# Altium PCB mycarV2.PcbDoc (part 1 of 5)
Units mm, origin at the board's own origin, x right, y up, seen from the top; angles counter-clockwise.
Board outline 144.36 x 103.75 mm, 2 copper layers (Top Layer, Bottom Layer); 186 components, 0 nets, 548 pads, 74 vias.
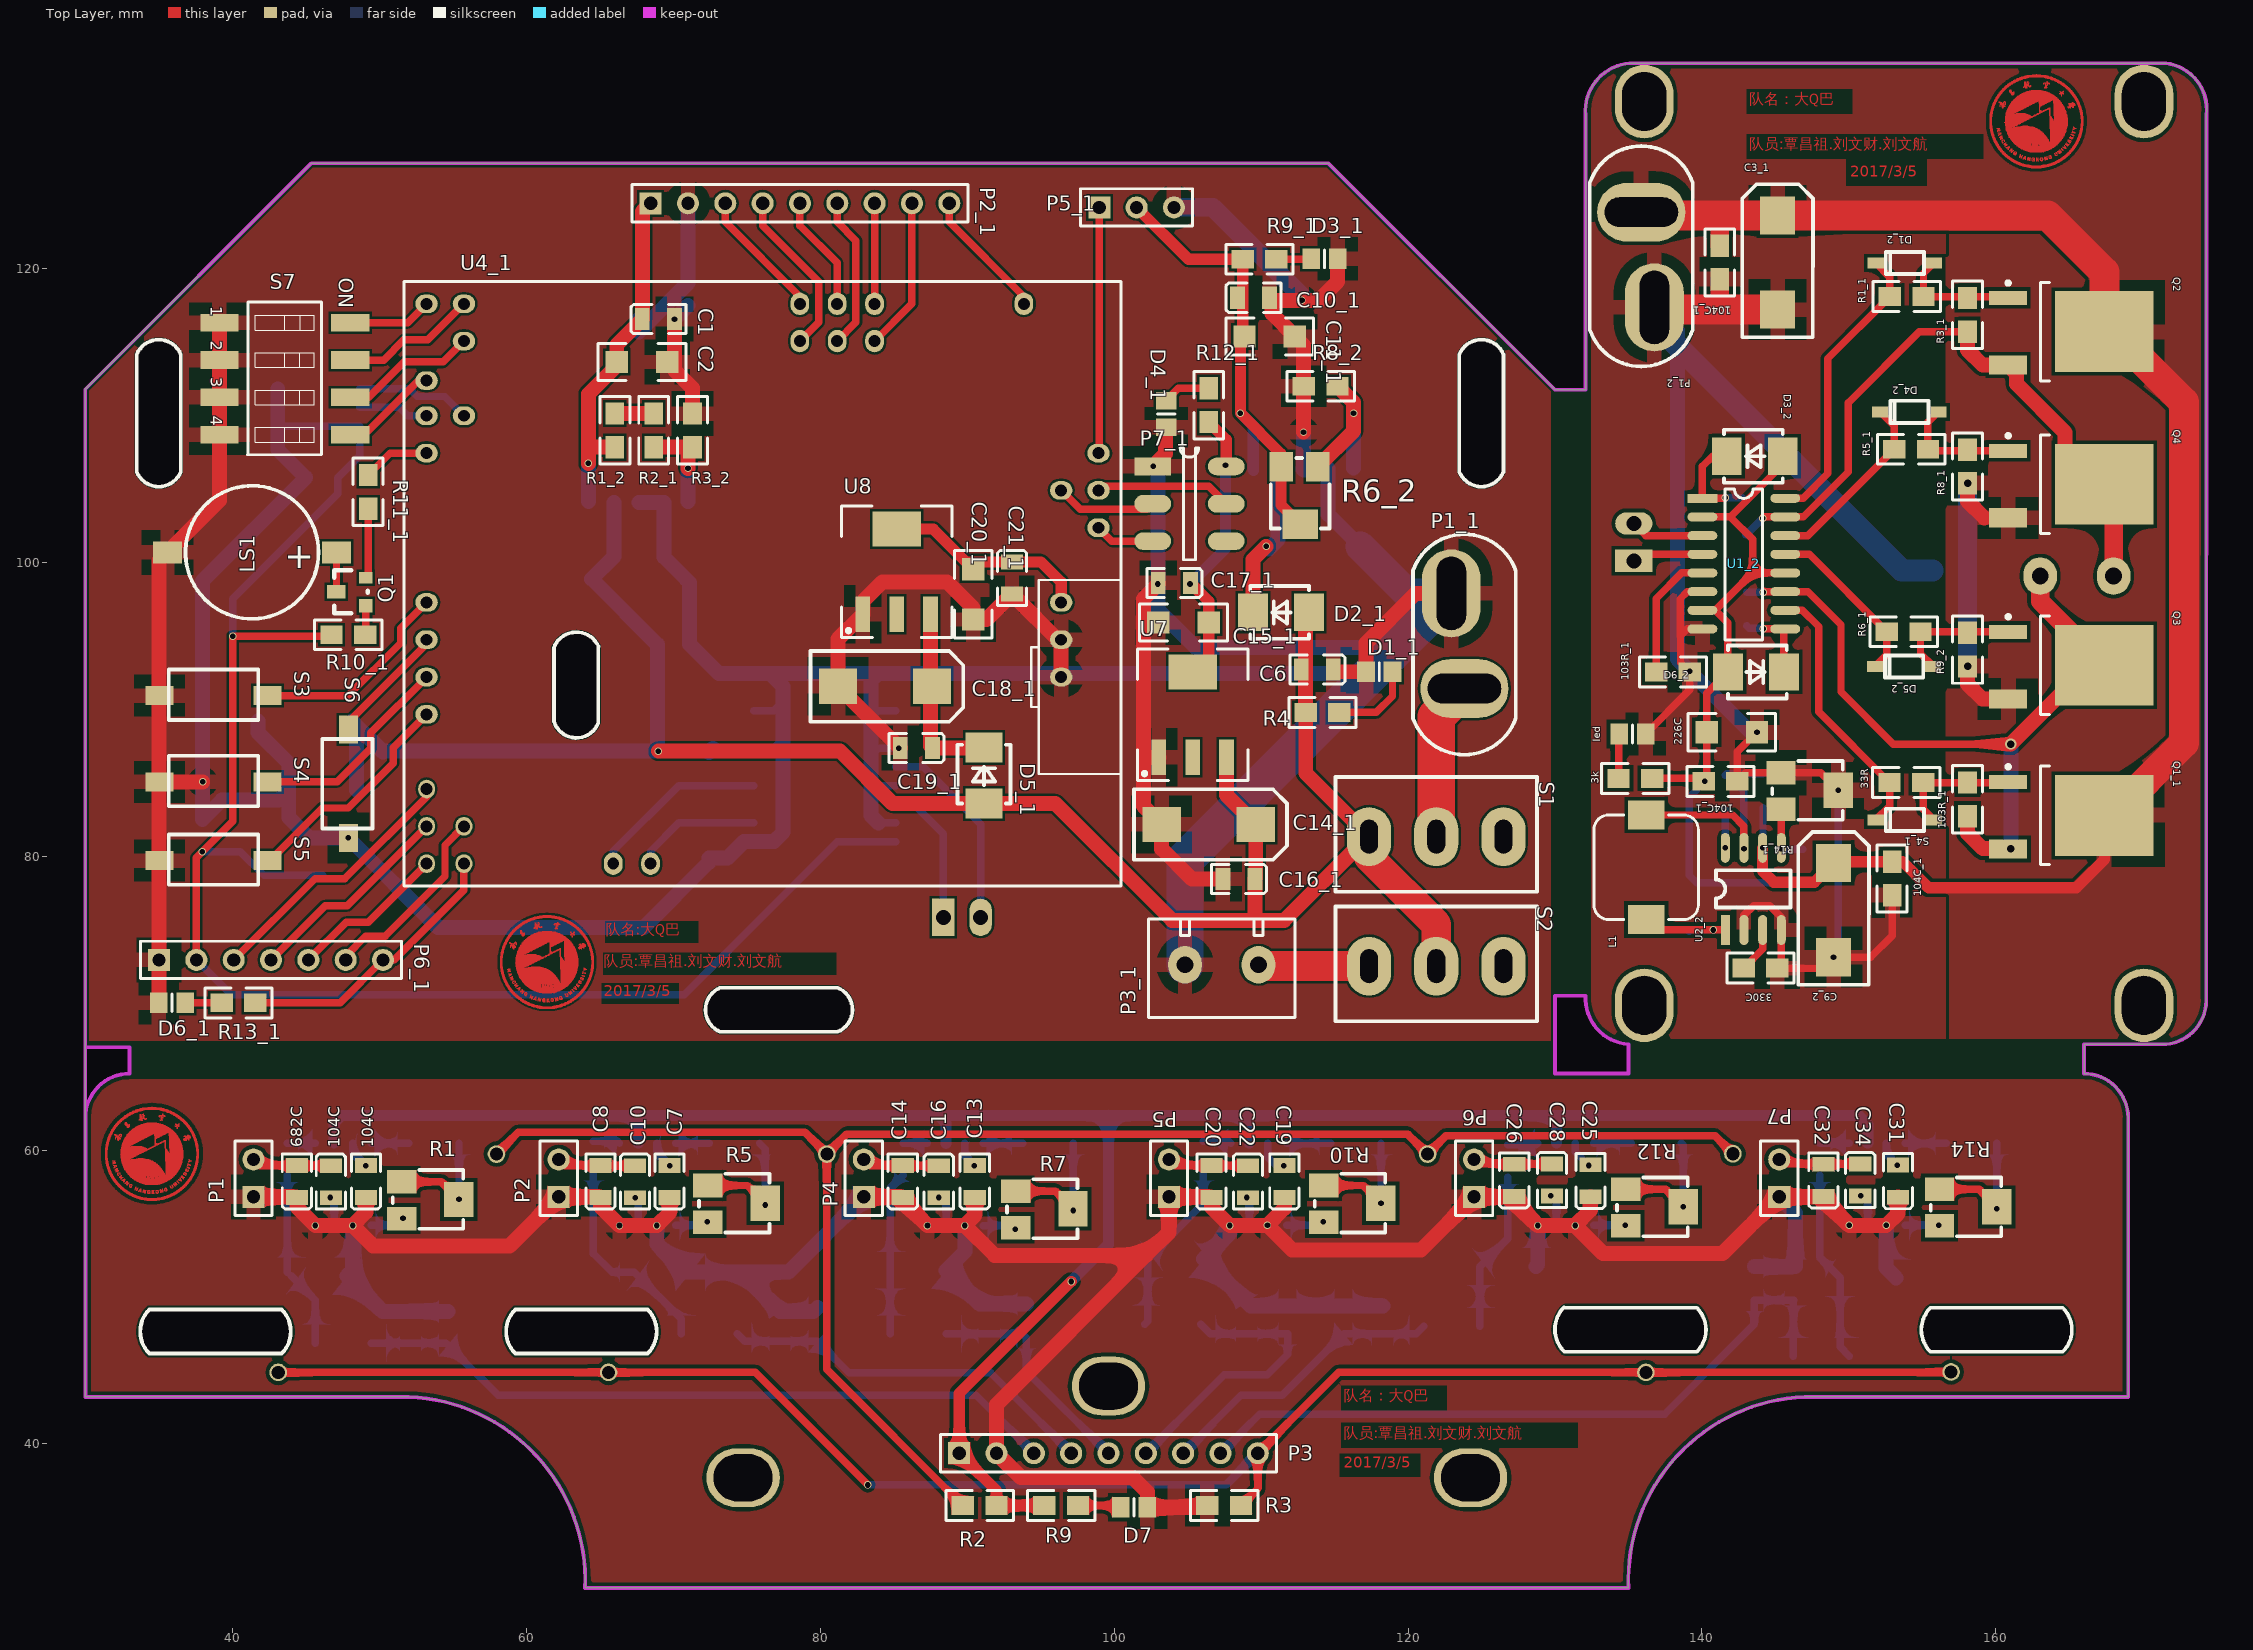
[diagram p0: Top Layer view]
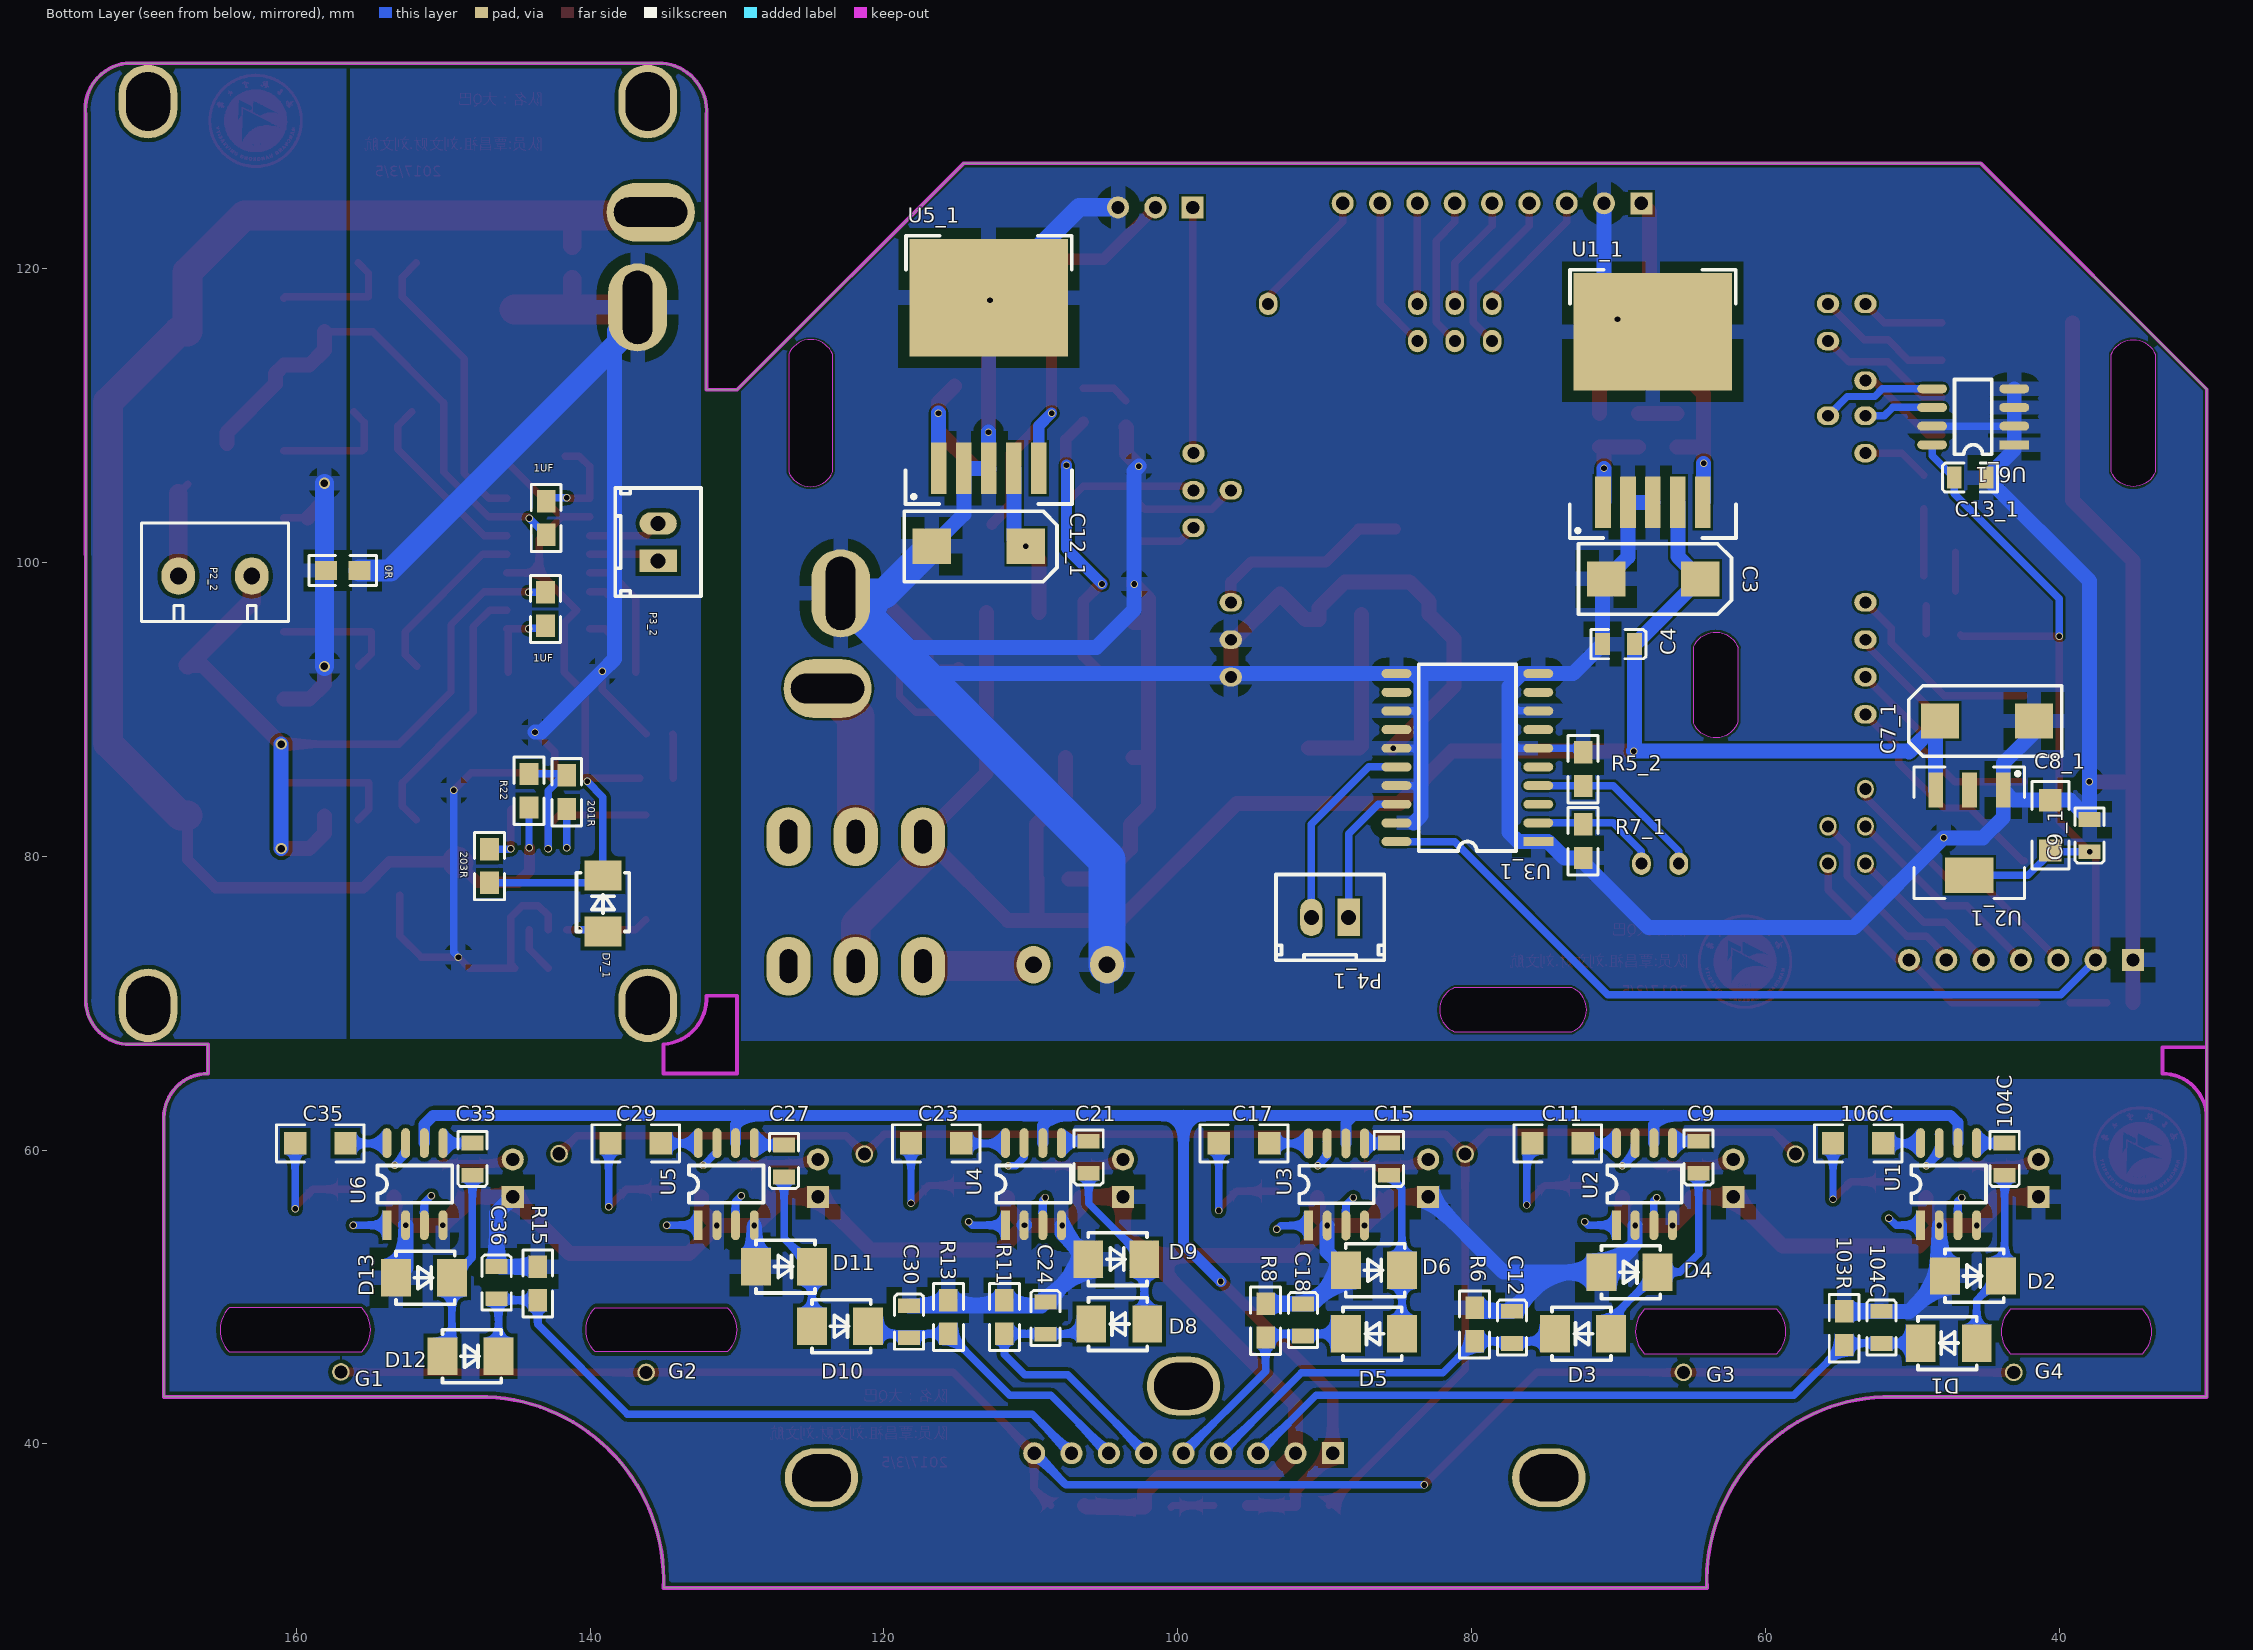
[diagram p1: Bottom Layer view, seen from below]

## Layer stack, top to bottom
Top Solder: solder mask 0.0102, Solder Resist, Dk 3.5
Top Layer: signal copper 0.0356
Dielectric 1: dielectric 0.32, FR-4, Dk 4.8
Bottom Layer: signal copper 0.0356
Bottom Solder: solder mask 0.0102, Solder Resist, Dk 3.5

## Board outline
30,43.2 30,62.2 29.989,62.211 29.989,111.771 45.357,127.139 114.593,127.139 129.989,111.743 132.075,111.743 132.075,130.45 cw(c135.325,130.7) 135.075,133.95 171.575,133.95 cw(c171.2,130.825) 174.325,130.45 174.308,70.45 cw(c171.317,70.192) 171.575,67.2 166,67.2 166,65.2 cw(c166,62.2) 169,62.2 169,43.2 147,43.2 ccw(c147.5,30.7) 135,30.2 64,30.2 ccw(c51.5,30.7) 52,43.2
cut-out: 81.189,68.043 73.189,68.043 cw(c73.814,69.543) 73.189,71.043 81.189,71.043 cw(c80.564,69.543)
cut-out: 61.889,89.143 ccw(c63.407,89.641) 64.889,89.043 64.889,94.243 64.908,94.264 ccw(c63.409,93.606) 61.868,94.162 61.889,94.143
cut-out: 123.489,106.143 123.489,114.143 cw(c124.989,113.518) 126.489,114.143 126.489,106.143 cw(c124.989,106.768)
cut-out: 33.489,106.143 ccw(c34.989,106.768) 36.489,106.143 36.489,114.143 ccw(c34.989,113.518) 33.489,114.143
cut-out: 155.55,46.266 cw(c157.05,47.766) 155.55,49.266 164.55,49.266 cw(c163.05,47.766) 164.55,46.266
cut-out: 130.65,46.266 139.65,46.266 ccw(c138.15,47.766) 139.65,49.266 130.65,49.266 ccw(c132.15,47.766)
cut-out: 34.35,46.15 cw(c35.85,47.65) 34.35,49.15 43.35,49.15 cw(c41.85,47.65) 43.35,46.15
cut-out: 59.25,46.15 cw(c60.75,47.65) 59.25,49.15 68.25,49.15 cw(c66.75,47.65) 68.25,46.15
cut-out: 130,65.2 130,70.5 132.075,70.5 132.077,70.5 ccw(c135.2,70.325) 135,67.204 135,67.2 135,65.2
cut-out: 29.989,62.211 29.989,66.996 32.996,66.996 33,67 33,65.2 ccw(c32.989,62.2)

## Design rules (kind name [scope] priority, off if disabled: settings)
Clearance [All] p1: gap=0.254
PolygonConnect [All] p1: connectstyle=Relief reliefconductorwidth=0.254 reliefentries=4 polygonreliefangle="90 Angle" airgapwidth=0.254
RoutingVias [All] p1: holewidth=0.711 width=1.27 viastyle="Through Hole" minholewidth=0.711 minwidth=1.27 maxholewidth=0.711 maxwidth=1.27
SolderMaskExpansion [All] p1: expansion=0.102
Width [All] p1: maxlimit=0.254 minlimit=0.254 preferedwidth=0.254
30 further rules are at their usual default settings.

## Components (designator, comment, footprint, x,y, rotation, side; value= is the part's Value field where it differs from the comment)
0R "Res2" 0805 156.7,99.434 r0 bottom (schematic designator R10)
1UF "1uF" 0805 143.035,96.691 r90 bottom (schematic designator C2)
1UF "1uF" 0805 142.984,102.888 r90 bottom (schematic designator C1)
3k "Res2" 0805 135.593,85.286 r180 top (schematic designator R15)
33R "33" 0805 154.033,85.007 r180 top (schematic designator R2)
103R "Res2" 0805 54.658,48.004 r270 bottom (schematic designator R4)
103R_1 "10K" 0805 137.904,92.525 r0 top (schematic designator R7)
103R_1 "10K" 0805 158.072,83.737 r90 top (schematic designator R4)
104C "Cap" C-0805 52.118,49.02 r270 bottom (schematic designator C6)
104C "Cap" C-0805 49.083,56.767 r90 top (schematic designator C4)
104C "Cap" C-0805 43.736,58.291 r90 bottom (schematic designator C3)
104C "Cap" C-0805 46.695,58.936 r270 top (schematic designator C1)
104C_1 "Cap" 0805 152.941,78.606 r270 top (schematic designator C8)
104C_1 "Cap" 0805 141.384,85.083 r180 top (schematic designator C6)
104C_1 "Cap" 0805 141.206,120.262 r90 top (schematic designator C4)
106C "Cap Pol2" 1206 55.42,60.45 r180 bottom (schematic designator C5)
201R "Res2" 0805 141.587,84.473 r270 bottom (schematic designator R11)
203R "Res2" 0805 146.845,79.444 r270 bottom (schematic designator R13)
226C "Cap Pol2" 1206 140.317,88.436 r0 top (schematic designator C7)
330C "Cap" 0805 143.848,72.383 r0 top (schematic designator C5)
682C "Cap" C-0805 44.384,56.767 r90 top (schematic designator C2)
C1 "Cap" C-0805 67.896,116.542 r0 top
C2 "Cap Pol2" 1206 66.152,113.621 r0 top
C3 "Cap Pol1" TANCAP 68.032,98.864 r180 bottom
C3_1 "Cap Pol2" TANCAP 145.143,120.008 r90 top (schematic designator C3)
C4 "Cap" C-0805 68.921,94.419 r0 bottom
C6 "Cap" C-0805 114.918,92.698 r180 top
C7 "Cap" C-0805 67.402,58.936 r270 top
C7_1 "Cap Pol1" TANCAP 44.56,89.193 r0 bottom (schematic designator C7)
C8 "Cap" C-0805 65.052,56.767 r90 top
C8_1 "Cap Pol2" 1206 40.623,80.379 r90 bottom (schematic designator C8)
C9 "Cap" C-0805 64.564,58.418 r90 bottom
C9_1 "Cap" C-0805 37.956,80.303 r90 bottom (schematic designator C9)
C9_2 "Cap Pol2" TANCAP 148.953,75.939 r90 top (schematic designator C9)
C10 "Cap" C-0805 69.752,56.767 r90 top
C10_1 "Cap" C-0805 108.388,117.997 r0 top (schematic designator C10)
C11 "Cap Pol2" 1206 75.867,60.45 r180 bottom
C11_1 "Cap Pol2" 1206 108.872,115.355 r0 top (schematic designator C11)
C12 "Cap" C-0805 77.264,49.02 r270 bottom
C12_1 "Cap Pol1" TANCAP 113.927,101.08 r180 bottom (schematic designator C12)
C13 "Cap" C-0805 88.064,58.936 r270 top
C13_1 "Cap" C-0805 47.176,105.754 r180 bottom (schematic designator C13)
C14 "Cap" C-0805 85.614,56.767 r90 top
C14_1 "Cap Pol1" TANCAP 106.053,82.157 r0 top (schematic designator C14)
C15 "Cap" C-0805 85.646,58.291 r90 bottom
C15_1 "Cap Pol2" 1206 106.434,95.899 r180 top (schematic designator C15)
C16 "Cap" C-0805 90.514,56.767 r90 top
C16_1 "Cap" C-0805 109.589,78.443 r180 top (schematic designator C16)
C17 "Cap Pol2" 1206 97.211,60.45 r180 bottom
C17_1 "Cap" C-0805 105.189,98.591 r180 top (schematic designator C17)
C18 "Cap" C-0805 91.488,49.528 r270 bottom
C18_1 "Cap Pol1" TANCAP 84.031,91.555 r0 top (schematic designator C18)
C19 "Cap" C-0805 109.103,58.936 r270 top
C19_1 "Cap" C-0805 87.638,87.364 r180 top (schematic designator C19)
C20 "Cap" C-0805 106.626,56.767 r90 top
C20_1 "Cap Pol2" 1206 90.407,99.531 r270 top (schematic designator C20)
C21 "Cap" C-0805 106.068,58.418 r90 bottom
C21_1 "Cap" C-0805 93.048,100.015 r270 top (schematic designator C21)
C22 "Cap" C-0805 111.579,56.767 r90 top
C23 "Cap Pol2" 1206 118.158,60.45 r180 bottom
C24 "Cap" C-0805 109.014,49.655 r270 bottom
C25 "Cap" C-0805 129.791,59.053 r270 top
C26 "Cap" C-0805 127.226,56.843 r90 top
C27 "Cap" C-0805 126.794,58.164 r90 bottom
C28 "Cap" C-0805 132.407,56.818 r90 top
C29 "Cap Pol2" 1206 138.605,60.45 r180 bottom
C30 "Cap" C-0805 118.285,49.401 r270 bottom
C31 "Cap" C-0805 150.772,59.053 r270 top
C32 "Cap" C-0805 148.257,56.843 r90 top
C33 "Cap" C-0805 148.003,58.291 r90 bottom
C34 "Cap" C-0805 153.337,56.792 r90 top
C35 "Cap Pol2" 1206 160.068,60.45 r180 bottom
C36 "Cap" C-0805 146.352,52.068 r270 bottom
D1 "Diode" DO214AA 47.546,46.861 r0 bottom
D1_1 "LED0" 6-0805_N 118.042,92.546 r180 top (schematic designator D1)
D1_2 "SS14" SOT-123 153.804,120.364 r180 top (schematic designator D1)
D2 "Diode" DO214AA 45.895,51.433 r180 bottom
D2_1 "SS14" DO214AA 111.362,96.585 r180 top (schematic designator D2)
D3 "Diode" DO214AA 72.438,47.496 r0 bottom
D3_1 "LED0" 6-0805_N 114.308,120.638 r0 top (schematic designator D3)
D3_2 "SS14" DO214AA 143.594,107.206 r180 top (schematic designator D3)
D4 "Diode" DO214AA 69.263,51.687 r180 bottom
D4_1 "LED0" 6-0805_N 103.538,110.094 r270 top (schematic designator D4)
D4_2 "SS14" SOT-123 154.109,110.229 r180 top (schematic designator D4)
D5 "Diode" DO214AA 86.662,47.496 r0 bottom
D5_1 "SS14" DO214AA 91.143,85.485 r90 top (schematic designator D5)
D5_2 "SS14" SOT-123 153.754,92.906 r180 top (schematic designator D5)
D6 "Diode" DO214AA 86.662,51.814 r180 bottom
D6_1 "LED0" 6-0805_N 35.898,70.016 r180 top (schematic designator D6)
D6_2 "SS14" DO214AA 143.67,92.525 r0 top (schematic designator D6)
D7 "LED0" 6-0805_N 101.357,35.694 r0 top
D7_1 "SS14" DO214AA 139.123,76.777 r90 bottom (schematic designator D7)
D8 "Diode" DO214AA 103.985,48.156 r0 bottom
D9 "Diode" DO214AA 104.188,52.576 r180 bottom
D10 "Diode" DO214AA 122.984,48.004 r180 bottom
D11 "Diode" DO214AA 126.794,52.068 r180 bottom
D12 "Diode" DO214AA 148.13,45.972 r180 bottom
D13 "Diode" DO214AA 151.305,51.306 r180 bottom
G1 "GHG" GHG_1 149.527,52.322 r315 bottom
G2 "GHG" GHG_1 128.758,52.297 r315 bottom
G3 "GHG" GHG_1 73.022,52.297 r225 bottom
G4 "GHG" GHG_1 50.543,52.297 r225 bottom
L1 "220uH" L-SMD-7 136.202,79.241 r90 top
led "LED0" 6-0805_N 135.262,88.309 r0 top (schematic designator D8)
LS1 "Buzzer" min_bell 41.334,100.674 r180 top
P1 "Header 2" HDR1X2 41.437,56.818 r90 top
P1_1 "Header 2" T型插头(公) 123.833,91.403 r90 top (schematic designator P1)
P1_2 "Header 2" T型插头(公) 135.872,123.818 r270 top (schematic designator P1)
P2 "Header 2" HDR1X2 62.202,56.818 r90 top
P2_1 "Header 9" HDR1X9 68.461,124.423 r0 top (schematic designator P2)
P2_2 "Header 2" 接线柱 165.514,99.053 r180 bottom (schematic designator P2)
P3 "Header 9" HDR1X9 89.456,39.368 r0 top
P3_1 "Header 2" 接线柱 107.323,72.607 r180 top (schematic designator P3)
P3_2 "Header 2" 2PIN 135.364,100.094 r90 bottom (schematic designator P3)
P4 "Header 2" HDR1X2 82.966,56.818 r90 top
P4_1 "Header 2" 2PIN 88.375,75.833 r0 bottom (schematic designator P4)
P5 "Header 2" HDR1X2 103.731,56.818 r90 top
P5_1 "Header 3" HDR1X3 98.989,124.143 r0 top (schematic designator P5)
P6 "Header 2" HDR1X2 124.495,56.818 r90 top
P6_1 "Header 7" HDR1X7 35.009,72.937 r0 top (schematic designator P6)
P7 "Header 2" HDR1X2 145.26,56.818 r90 top
P7_1 "Header 3X2" SOP6贴片插针 102.624,106.516 r0 top (schematic designator P7)
Q1 "NPN" SOT-23 46.033,95.823 r90 top
Q1_1 "IRF3205" TO-252AA_M 167.774,82.772 r270 top (schematic designator Q1)
Q2 "IRF3205" TO-252AA_M 167.774,115.69 r270 top
Q3 "IRF3205" TO-252AA_M 167.774,92.982 r270 top
Q4 "IRF3205" TO-252AA_M 167.774,105.301 r270 top
R1 "RES-ADJ" T-3224w 54.912,56.64 r180 top
R1_1 "33" 0805 153.804,118.078 r0 top (schematic designator R1)
R1_2 "Res2" 0805 66.025,108.846 r90 top (schematic designator R1)
R2 "Res2" 0805 90.98,35.812 r180 top
R2_1 "Res2" 0805 68.667,108.846 r90 top (schematic designator R2)
R3 "Res2" 0805 107.617,35.812 r180 top
R3_1 "10K" 0805 158.072,116.706 r90 top (schematic designator R3)
R3_2 "Res2" 0805 71.309,109.1 r270 top (schematic designator R3)
R4 "Res2" 0805 114.054,89.777 r0 top
R5 "RES-ADJ" T-3224w 75.752,56.386 r180 top
R5_1 "33" 0805 154.109,107.689 r0 top (schematic designator R5)
R5_2 "Res2" 0805 72.423,80.887 r90 bottom (schematic designator R5)
R6 "Res2" 0805 79.804,48.258 r270 bottom
R6_1 "33" 0805 153.855,95.268 r180 top (schematic designator R6)
R6_2 "RES-ADJ" T-3224w 112.657,103.087 r90 top (schematic designator R6)
R7 "RES-ADJ" T-3224w 96.703,56.005 r180 top
R7_1 "Res2" 0805 72.423,86.044 r270 bottom (schematic designator R7)
R8 "Res2" 0805 94.028,48.512 r270 bottom
R8_1 "10K" 0805 158.072,106.394 r90 top (schematic designator R8)
R8_2 "Res2" 0805 113.927,111.977 r0 top (schematic designator R8)
R9 "Res2" 0805 96.272,35.812 r0 top
R9_1 "Res2" 0805 109.761,120.613 r0 top (schematic designator R9)
R9_2 "10K" 0805 158.072,93.922 r90 top (schematic designator R9)
R10 "RES-ADJ" T-3224w 117.65,56.386 r180 top
R10_1 "Res2" 0805 47.76,95.061 r0 top (schematic designator R10)
R11 "Res2" 0805 111.808,48.766 r270 bottom
R11_1 "Res2" 0805 49.233,104.916 r270 top (schematic designator R11)
R12 "RES-ADJ" T-3224w 138.224,56.132 r180 top
R12_1 "Res2" 0805 106.434,110.555 r90 top (schematic designator R12)
R13 "Res2" 0805 115.618,48.766 r270 bottom
R13_1 "Res2" 0805 40.546,70.016 r180 top (schematic designator R13)
R14 "RES-ADJ" T-3224w 159.56,56.132 r180 top
R14_1 "RES-ADJ" T-3224w 148.775,84.473 r180 top (schematic designator R14)
R15 "Res2" 0805 143.558,51.052 r270 bottom
R22 "Res2" 0805 144.152,84.575 r270 bottom (schematic designator R12)
S1 "SW-SPDT" SWITCH_B 121.921,81.326 r0 top
S2 "SW-SPDT" SWITCH_B 121.921,72.512 r0 top
S3 "SW-PB" 贴片开关 38.591,90.92 r0 top
S4 "SW-PB" 贴片开关 38.591,85.053 r0 top
S4_1 "SS14" SOT-123 153.804,82.467 r180 top (schematic designator D2)
S5 "SW-PB" 贴片开关 38.591,79.694 r0 top
S6 "SW-PB" 贴片开关 47.887,84.799 r90 top
S7 "SW DIP-4" SW-4P 43.569,112.485 r270 top
U1 "LM386" SO-8 49.458,54.885 r90 bottom
U1_1 "LM2941" LM2941 67.676,110.243 r180 bottom (schematic designator U1)
U1_2 "HIP4082" SO-16N 140.26,104.346 r0 top (schematic designator U1)
U2 "LM386" SO-8 70.152,54.885 r90 bottom
U2_1 "AMS1117" AMS1117 46.134,81.599 r0 bottom (schematic designator U2)
U2_2 "MCG34065A" SO-8 141.587,74.974 r90 top (schematic designator U2)
U3 "LM386" SO-8 91.107,54.862 r90 bottom
U3_1 "SN74HC244" SO-20W 75.446,80.938 r0 bottom (schematic designator U3)
U4 "LM386" SO-8 111.732,54.885 r90 bottom
U4_1 "K60FX" k60_v2 75.395,98.185 r0 top locked (schematic designator U4)
U5 "LM386" SO-8 132.636,54.885 r90 bottom
U5_1 "LM2941" LM2941 112.864,112.557 r180 bottom (schematic designator U5)
U6 "LM386" SO-8 153.82,54.885 r90 bottom
U6_1 "24C64" SO-8 43.086,107.989 r0 bottom (schematic designator U6)
U7 "AMS1117" AMS1117 105.342,89.625 r0 top
U8 "SPX1117" AMS1117 85.2,99.353 r0 top

## Footprints (in the part's own frame and the unit in brackets; to place one, negate y for a bottom-side part, rotate by r counter-clockwise, add the part's x,y. Pads: shape width x height; smd on the part's side, far side on the other; paste and mask are expansions set on the pad)
2PIN [mil]
  rect 60x100 hole 40: 1(0,0)
  oval 60x100 hole 40: 2(100,0)
  silkscreen extent -95,-115 195,115
6-0805_N [mm] "Chip Resistor, Body 2.0x1.2mm, IPC Medium Density"
  rect 1.2x1.4 smd: 1(-0.9,0) 2(0.9,0)
  silkscreen extent 0,-0.6 0,0.6, body extent -1.07,-0.7 1.07,0.7, height 0.7
0805 [mil]
  rect 60x50 smd: 1(-40,0) 2(50,0)
  silkscreen extent -85,-40 95,40, body extent -39,-24 39,29, height 26
1206 [mil]
  rect 60x60 smd: 1(0,0) 2(135,0)
  silkscreen extent -50,-50 185,50, body extent 7,-32 133,32, height 23
AMS1117 [mm]
  rect 1x2.4 smd: 1(-2.3,-2.9) 2(0,-2.9) 3(2.3,-2.9)
  rect 3.3x2.4 smd: 2(0,2.9)
  silkscreen extent -3.76,-4.47 3.76,4.47, body extent -3.4,-1.9 3.4,1.9, height 3
C-0805 [mm]
  rect 1x1.5 smd: 1(0,0) 2(2.184,0)
  silkscreen extent -0.79,-0.99 2.96,0.99, body extent 0.02,-0.6 2.02,0.6, height 0.95
DO214AA [mil]
  rect 80x100 smd: 1(-75,0) 2(75,0)
  silkscreen extent -75,-71 82,71
GHG_1 [mm]
  round 1.2 hole 0.889: 1(-10.5,0) 2(10.5,0)
HDR1X2 [mm] "Connector; Header; 2 Position"
  rect 1.5x1.5 hole 0.9: 1(0,0)
  round 1.5 hole 0.9: 2(2.54,0)
  silkscreen extent -1.27,-1.27 3.81,1.27
HDR1X3 [mm] "Connector; Header; 3 Position"
  rect 1.5x1.5 hole 0.9: 1(0,0)
  round 1.5 hole 0.9: 2(2.54,0) 3(5.08,0)
  silkscreen extent -1.27,-1.27 6.35,1.27
HDR1X7 [mm] "Connector; Header; 7 Position"
  rect 1.5x1.5 hole 0.9: 1(0,0)
  round 1.5 hole 0.9: 2(2.54,0) 3(5.08,0) 4(7.62,0) 5(10.16,0) 6(12.7,0) 7(15.24,0)
  silkscreen extent -1.27,-1.27 16.51,1.27
HDR1X9 [mm] "Connector; Header; 9 Position"
  rect 1.5x1.5 hole 0.9: 1(0,0)
  round 1.5 hole 0.9: 2(2.54,0) 3(5.08,0) 4(7.62,0) 5(10.16,0) 6(12.7,0) 7(15.24,0) 8(17.78,0) 9(20.32,0)
  silkscreen extent -1.27,-1.27 21.59,1.27
k60_v2 [mm]
  oval 1.27x1.524 hole 0.813: 7(-9.48,-18.7) 9(-6.94,-18.7) 63(18.46,19.4) 71(8.3,19.4) 72(8.3,16.86) 73(5.76,19.4) 74(5.76,16.86) 75(3.22,19.4) 76(3.22,16.86)
  oval 1.524x1.27 hole 0.813: 41(21,-6) 43(21,-3.46) 45(21,-0.92) 50(23.54,4.16) 51(21,6.7) 52(23.54,6.7) 54(23.54,9.24) 93(-19.64,19.4) 94(-22.18,19.4) 95(-19.64,16.86) 98(-22.18,14.17) 99(-19.64,11.78) 100(-22.18,11.78) 102(-22.18,9.24) 110(-22.18,-0.92) 112(-22.18,-3.46) 114(-22.18,-6) 116(-22.18,-8.54)
  oval 1.143x1.27 hole 0.813: 120(-22.18,-13.62) 121(-19.64,-16.16) 122(-22.18,-16.16) 123(-19.64,-18.7) 124(-22.18,-18.7)
  silkscreen extent -23.7,-20.22 25.06,20.92
L-SMD-7 [mm] "贴片电感7*7"
  rect 2x2.5 smd: 1(-3.556,0) 2(3.556,0)
  silkscreen extent -3.56,-3.56 3.56,3.56, body extent -3.56,-3.56 3.56,3.56, height 4
LM2941 [mm]
  rect 1.07x3.5 smd: 1(-3.4,-6.175) 2(-1.7,-6.175) 3(0,-6.175) 4(1.7,-6.175) 5(3.4,-6.175)
  rect 10.8x8 smd: 3(0,5.433)
  silkscreen extent -5.66,-8.6 5.66,9.65, body extent -5.21,-4.44 5.21,4.45, height 4.65
min_bell [mm]
  rect 2x1.5 smd: 1(-5.75,0) 2(5.75,0)
  silkscreen extent -4.53,-4.53 4.52,4.53
SO-8 [mil]
  rect 80x24 smd: 1(0,0)
  oval 80x24 smd: 2(0,-50) 3(0,-100) 4(0,-150) 5(220,-150) 6(220,-100) 7(220,-50) 8(220,0)
  silkscreen extent 60,-175 160,25, body extent -8,-171 228,21, height 67
SO-16N [mil]
  rect 80x24 smd: 1(-9,0.1)
  oval 80x24 smd: 2(-9,-49.9) 3(-9,-99.9) 4(-9,-149.9) 5(-9,-199.9) 6(-9,-249.9) 7(-9,-299.9) 8(-9,-349.9) 9(212.9,-349.9) 10(212.9,-299.9) 11(212.9,-249.9) 12(212.9,-199.9) 13(212.9,-149.9) 14(212.9,-99.9) 15(212.9,-49.9) 16(212.9,0.1)
  silkscreen extent 52,-380 152,25
SO-20W [mil]
  rect 80x24 smd: 1(1,-2)
  oval 80x24 smd: 2(1,-52) 3(1,-102) 4(1,-152) 5(1,-202) 6(1,-252) 7(1,-302) 8(1,-352) 9(1,-402) 10(1,-452) 11(381,-452) 12(381,-402) 13(381,-352) 14(381,-302) 15(381,-252) 16(381,-202) 17(381,-152) 18(381,-102) 19(381,-52) 20(381,-2)
  silkscreen extent 61,-477 321,23
SOP6贴片插针 [mm]
  rect 2.5x1.2 smd: 1(0,0)
  oval 2.5x1.2 smd: 2(5,0) 3(0,-2.54) 4(5,-2.54) 5(0,-5.08) 6(5,-5.08)
  silkscreen extent 1.87,-6.35 3.14,1.27
SOT-23 [mil]
  rect 36x36 smd: 1(47.76,-120.28)
  rect 30x36 smd: 2(122.76,-120.28)
  rect 36x50 smd: 3(85.76,-40.28)
  silkscreen extent 28,-125 143,-35, body extent 27,-132 141,-22, height 47
SOT-123 [mm]
  rect 1.1x0.75 smd: 1(-1.975,0) 2(1.975,0)
  silkscreen extent -1.3,-0.75 1.3,0.75
SW-4P [mm]
  rect 1.2x2.6 smd: 1(-3.81,-4.45) 2(-1.27,-4.45) 3(1.27,-4.45) 4(3.81,-4.45) 5(3.81,4.45) 6(1.27,4.45) 7(-1.27,4.45) 8(-3.81,4.45)
  silkscreen extent -5.21,-2.53 5.17,2.49
SWITCH_B [mm]
  oval 3x4 hole 1.2 slot 2.3 at 90 deg: 1(-4.572,0) 2(0,0) 3(4.572,0)
  silkscreen extent -6.86,-3.75 6.86,4.06
T-3224w [mm]
  rect 2x1.6 smd: 1(3.4,-1.2) 3(3.4,1.3)
  rect 2x2.4 smd: 2(-0.5,0)
  silkscreen extent -0.8,-2 4,2
TANCAP [mm]
  rect 2.6x2.4 smd: 1(3.583,0) 2(-2.817,0)
  silkscreen extent -4.7,-2.41 5.71,2.39, body extent -3.27,-2.17 4.03,2.13, height 2.9
TO-252AA_M [mm] "D-PAK, 4-Leads, Body 6.1x6.5mm, Pitch 2.28mm, Lead Span 9.8mm, IPC Low Density"
  rect 0.95x2.6 smd: 1(-2.28,-6.94)
  rect 1.3x2.6 smd: 3(2.28,-6.94)
  rect 5.5x6.7 smd: 4(0,-0.39)
  silkscreen extent -3.43,-7.06 3.35,-4.14, body extent -3.27,-7.44 3.27,2.5, height 2.39
T型插头(公) [mm]
  oval 4x6 hole 2 slot 5 at 90 deg: 1(0,0)
  oval 6x4 hole 2 slot 5 at 0 deg: 2(6.477,0.889)
  silkscreen extent -4.5,-3.5 10.5,3.5
接线柱 [mil]
  oval 90x100 hole 45: 1(-98.43,0) 2(98.43,0)
  silkscreen extent -197,-122 197,142
贴片开关 [mm]
  rect 1.9x1.3 smd: 1(-3.556,0) 2(3.81,0)
  silkscreen extent -2.92,-1.65 3.17,1.78, body extent -3.91,-1.78 4.23,1.82, height 2.49

## Part data
0R 3k 103R 201R 203R R1_2 R2 R2_1 R3 R3_2 R4 R5_2 R6 R7_1 R8 R8_2 R9 R9_1 R10_1 R11 R11_1 R12_1 R13 R13_1 R15 R22: "Resistor"
1UF 1UF: library part CAP, "Capacitor"
33R 103R_1 103R_1 R1_1 R3_1 R5_1 R6_1 R8_1 R9_2: library part RES
104C 104C 104C 104C 104C_1 104C_1 104C_1 330C 682C C1 C4 C6 C7 C8 C9 C9_1 C10 C10_1 C12 C13 C13_1 C14 C15 C16 C16_1 C17_1 C18 C19 C19_1 C20 C21 C21_1 C22 C24 C25 C26 C27 C28 C30 C31 C32 C33 C34 C36: "Capacitor"
106C 226C C2 C3_1 C8_1 C9_2 C11 C11_1 C15_1 C17 C20_1 C23 C29 C35: "Polarized Capacitor (Axial)"
C3 C7_1 C12_1 C14_1 C18_1: "Polarized Capacitor (Radial)"
D1 D2 D3 D4 D5 D6 D8 D9 D10 D11 D12 D13: "Default Diode"
D1_1 D3_1 D4_1 D6_1 D7 led: "Typical INFRARED GaAs LED"
D1_2 D3_2 D4_2 D5_2 D6_2 S4_1: library part "Diode 1N4148", "High Conductance Fast Diode"
D2_1 D5_1: library part "Diode BAS16", "Silicon Switching Diode for High-Speed Switching"
D7_1: library part Diode, "Default Diode"
L1: library part L-D-SMD, "磁芯电感"
LS1: "Magnetic Transducer Buzzer"
P1 P1_1 P1_2 P2 P2_2 P3_1 P3_2 P4 P4_1 P5 P6 P7: "Header, 2-Pin"
P2_1 P3: "Header, 9-Pin"
P5_1: "Header, 3-Pin"
P6_1: "Header, 7-Pin"
P7_1: "Header, 3-Pin, Dual row"
Q1: "NPN Bipolar Transistor"
Q1_1 Q2 Q3 Q4: library part IRLR7843
S1 S2: "SPDT Subminiature Toggle Switch, Right Angle Mounting, Vertical Actuation"
S3 S4 S5 S6: "Switch"
S7: "编码开关"
U6_1: library part EEPROM_24C64

## Free pads (board coordinates)
  oval 5x4 hole 3.2 slot 4 at 0 deg: 0(74.75,37.7) 0(99.616,43.94) 0(124.25,37.7)
  oval 4x5 hole 3 slot 4 at 90 deg: 0(136.075,69.847) 0(136.075,131.347) 0(170.075,69.847) 0(170.075,131.347)

## Via types
v1: diameter 0.508, hole 0.381, Top Layer to Bottom Layer, 70 vias
v2: diameter 0.762, hole 0.508, Top Layer to Bottom Layer, 4 vias

## Nets (pads, with @x,y where several pads share a name; then routed paths per layer and width w, separated by ;. In a path a pad name is that pad's centre, name@x,y a point inside that pad or via, vN(x,y) a via of type N, cw(c..) or ccw(c..) an arc to the next point about the centre after c; other vN are vias at no path point)
pads on no net: 0R.1 0R.2 1UF.1 1UF.2 3k.1 3k.2 33R.1 33R.2 103R.1 103R.2 103R_1.1 103R_1.2 104C.1 104C.2 104C_1.1 104C_1.2 106C.1 106C.2 201R.1 201R.2 203R.1 203R.2 226C.1 226C.2 330C.1 330C.2 682C.1 682C.2 C1.1 C1.2 C2.1 C2.2 C3.1 C3.2 C3_1.1 C3_1.2 C4.1 C4.2 C6.1 C6.2 C7.1 C7.2 C7_1.1 C7_1.2 C8.1 C8.2 C8_1.1 C8_1.2 C9.1 C9.2 C9_1.1 C9_1.2 C9_2.1 C9_2.2 C10.1 C10.2 C10_1.1 C10_1.2 C11.1 C11.2 C11_1.1 C11_1.2 C12.1 C12.2 C12_1.1 C12_1.2 C13.1 C13.2 C13_1.1 C13_1.2 C14.1 C14.2 C14_1.1 C14_1.2 C15.1 C15.2 C15_1.1 C15_1.2 C16.1 C16.2 C16_1.1 C16_1.2 C17.1 C17.2 C17_1.1 C17_1.2 C18.1 C18.2 C18_1.1 C18_1.2 C19.1 C19.2 C19_1.1 C19_1.2 C20.1 C20.2 C20_1.1 C20_1.2 C21.1 C21.2 C21_1.1 C21_1.2 C22.1 C22.2 C23.1 C23.2 C24.1 C24.2 C25.1 C25.2 C26.1 C26.2 C27.1 C27.2 C28.1 C28.2 C29.1 C29.2 C30.1 C30.2 C31.1 C31.2 C32.1 C32.2 C33.1 C33.2 C34.1 C34.2 C35.1 C35.2 C36.1 C36.2 D1.1 D1.2 D1_1.1 D1_1.2 D1_2.1 D1_2.2 D2.1 D2.2 D2_1.1 D2_1.2 D3.1 D3.2 D3_1.1 D3_1.2 D3_2.1 D3_2.2 D4.1 D4.2 D4_1.1 D4_1.2 D4_2.1 D4_2.2 D5.1 D5.2 D5_1.1 D5_1.2 D5_2.1 D5_2.2 D6.1 D6.2 D6_1.1 D6_1.2 D6_2.1 D6_2.2 D7.1 D7.2 D7_1.1 D7_1.2 D8.1 D8.2 D9.1 D9.2 D10.1 D10.2 D11.1 D11.2 D12.1 D12.2 D13.1 D13.2 G1.1 G1.2 G2.1 G2.2 G3.1 G3.2 G4.1 G4.2 L1.1 L1.2 led.1 led.2 LS1.1 LS1.2 P1.1 P1.2 P1_1.1 P1_1.2 P1_2.1 P1_2.2 P2.1 P2.2 P2_1.1 P2_1.2 P2_1.3 P2_1.4 P2_1.5 P2_1.6 P2_1.7 P2_1.8 P2_1.9 P2_2.1 P2_2.2 P3.1 P3.2 P3.3 P3.4 P3.5 P3.6 P3.7 P3.8 P3.9 P3_1.1 P3_1.2 P3_2.1 P3_2.2 P4.1 P4.2 P4_1.1 P4_1.2 P5.1 P5.2 P5_1.1 P5_1.2 P5_1.3 P6.1 P6.2 P6_1.1 P6_1.2 P6_1.3 P6_1.4 P6_1.5 P6_1.6 P6_1.7 P7.1 P7.2 P7_1.1 P7_1.2 P7_1.3 P7_1.4 P7_1.5 P7_1.6 Q1.1 Q1.2 Q1.3 Q1_1.1 Q1_1.3 Q1_1.4 Q2.1 Q2.3 Q2.4 Q3.1 Q3.3 Q3.4 Q4.1 Q4.3 Q4.4 R1.1 R1.2 R1.3 R1_1.1 R1_1.2 R1_2.1 R1_2.2 R2.1 R2.2 R2_1.1 R2_1.2 R3.1 R3.2 R3_1.1 R3_1.2 R3_2.1 R3_2.2 R4.1 R4.2 R5.1 R5.2 R5.3 R5_1.1 R5_1.2 R5_2.1 R5_2.2 R6.1 R6.2 R6_1.1 R6_1.2 R6_2.1 R6_2.2 R6_2.3 R7.1 R7.2 R7.3 R7_1.1 R7_1.2 R8.1 R8.2 R8_1.1 R8_1.2 R8_2.1 R8_2.2 R9.1 R9.2 R9_1.1 R9_1.2 R9_2.1 R9_2.2 R10.1 R10.2 R10.3 R10_1.1 R10_1.2 R11.1 R11.2 R11_1.1 R11_1.2 R12.1 R12.2 R12.3 R12_1.1 R12_1.2 R13.1 R13.2 R13_1.1 R13_1.2 R14.1 R14.2 R14.3 R14_1.1 R14_1.2 R14_1.3 R15.1 R15.2 R22.1 R22.2 S1.1 S1.2 S1.3 S2.1 S2.2 S2.3 S3.1 S3.2 S4.1 S4.2 S4_1.1 S4_1.2 S5.1 S5.2 S6.1 S6.2 S7.1 S7.2 S7.3 S7.4 S7.5 S7.6 S7.7 S7.8 U1.1 U1.2 U1.3 U1.4 U1.5 U1.6 U1.7 U1.8 U1_1.1 U1_1.2 U1_1.3 U1_1.4 U1_1.5 U1_2.1 U1_2.2 U1_2.3 U1_2.4 U1_2.5 U1_2.6 U1_2.7 U1_2.8 U1_2.9 U1_2.10 U1_2.11 U1_2.12 U1_2.13 U1_2.14 U1_2.15 U1_2.16 U2.1 U2.2 U2.3 U2.4 U2.5 U2.6 U2.7 U2.8 U2_1.1 U2_1.2 U2_1.3 U2_2.1 U2_2.2 U2_2.3 U2_2.4 U2_2.5 U2_2.6 U2_2.7 U2_2.8 U3.1 U3.2 U3.3 U3.4 U3.5 U3.6 U3.7 U3.8 U3_1.1 U3_1.2 U3_1.3 U3_1.4 U3_1.5 U3_1.6 U3_1.7 U3_1.8 U3_1.9 U3_1.10 U3_1.11 U3_1.12 U3_1.13 U3_1.14 U3_1.15 U3_1.16 U3_1.17 U3_1.18 U3_1.19 U3_1.20 U4.1 U4.2 U4.3 U4.4 U4.5 U4.6 U4.7 U4.8 U4_1.7 U4_1.9 U4_1.41 U4_1.43 U4_1.45 U4_1.50 U4_1.51 U4_1.52 U4_1.54 U4_1.63 U4_1.71 U4_1.72 U4_1.73 U4_1.74 U4_1.75 U4_1.76 U4_1.93 U4_1.94 U4_1.95 U4_1.98 U4_1.99 U4_1.100 U4_1.102 U4_1.110 U4_1.112 U4_1.114 U4_1.116 U4_1.120 U4_1.121 U4_1.122 U4_1.123 U4_1.124 U5.1 U5.2 U5.3 U5.4 U5.5 U5.6 U5.7 U5.8 U5_1.1 U5_1.2 U5_1.3 U5_1.4 U5_1.5 U6.1 U6.2 U6.3 U6.4 U6.5 U6.6 U6.7 U6.8 U6_1.1 U6_1.2 U6_1.3 U6_1.4 U6_1.5 U6_1.6 U6_1.7 U6_1.8 U7.1 U7.2 U7.3 U8.1 U8.2 U8.3
copper on no net: | length 4532.2